# KiCad board RUSP_Mainboard.kicad_pcb (continued)
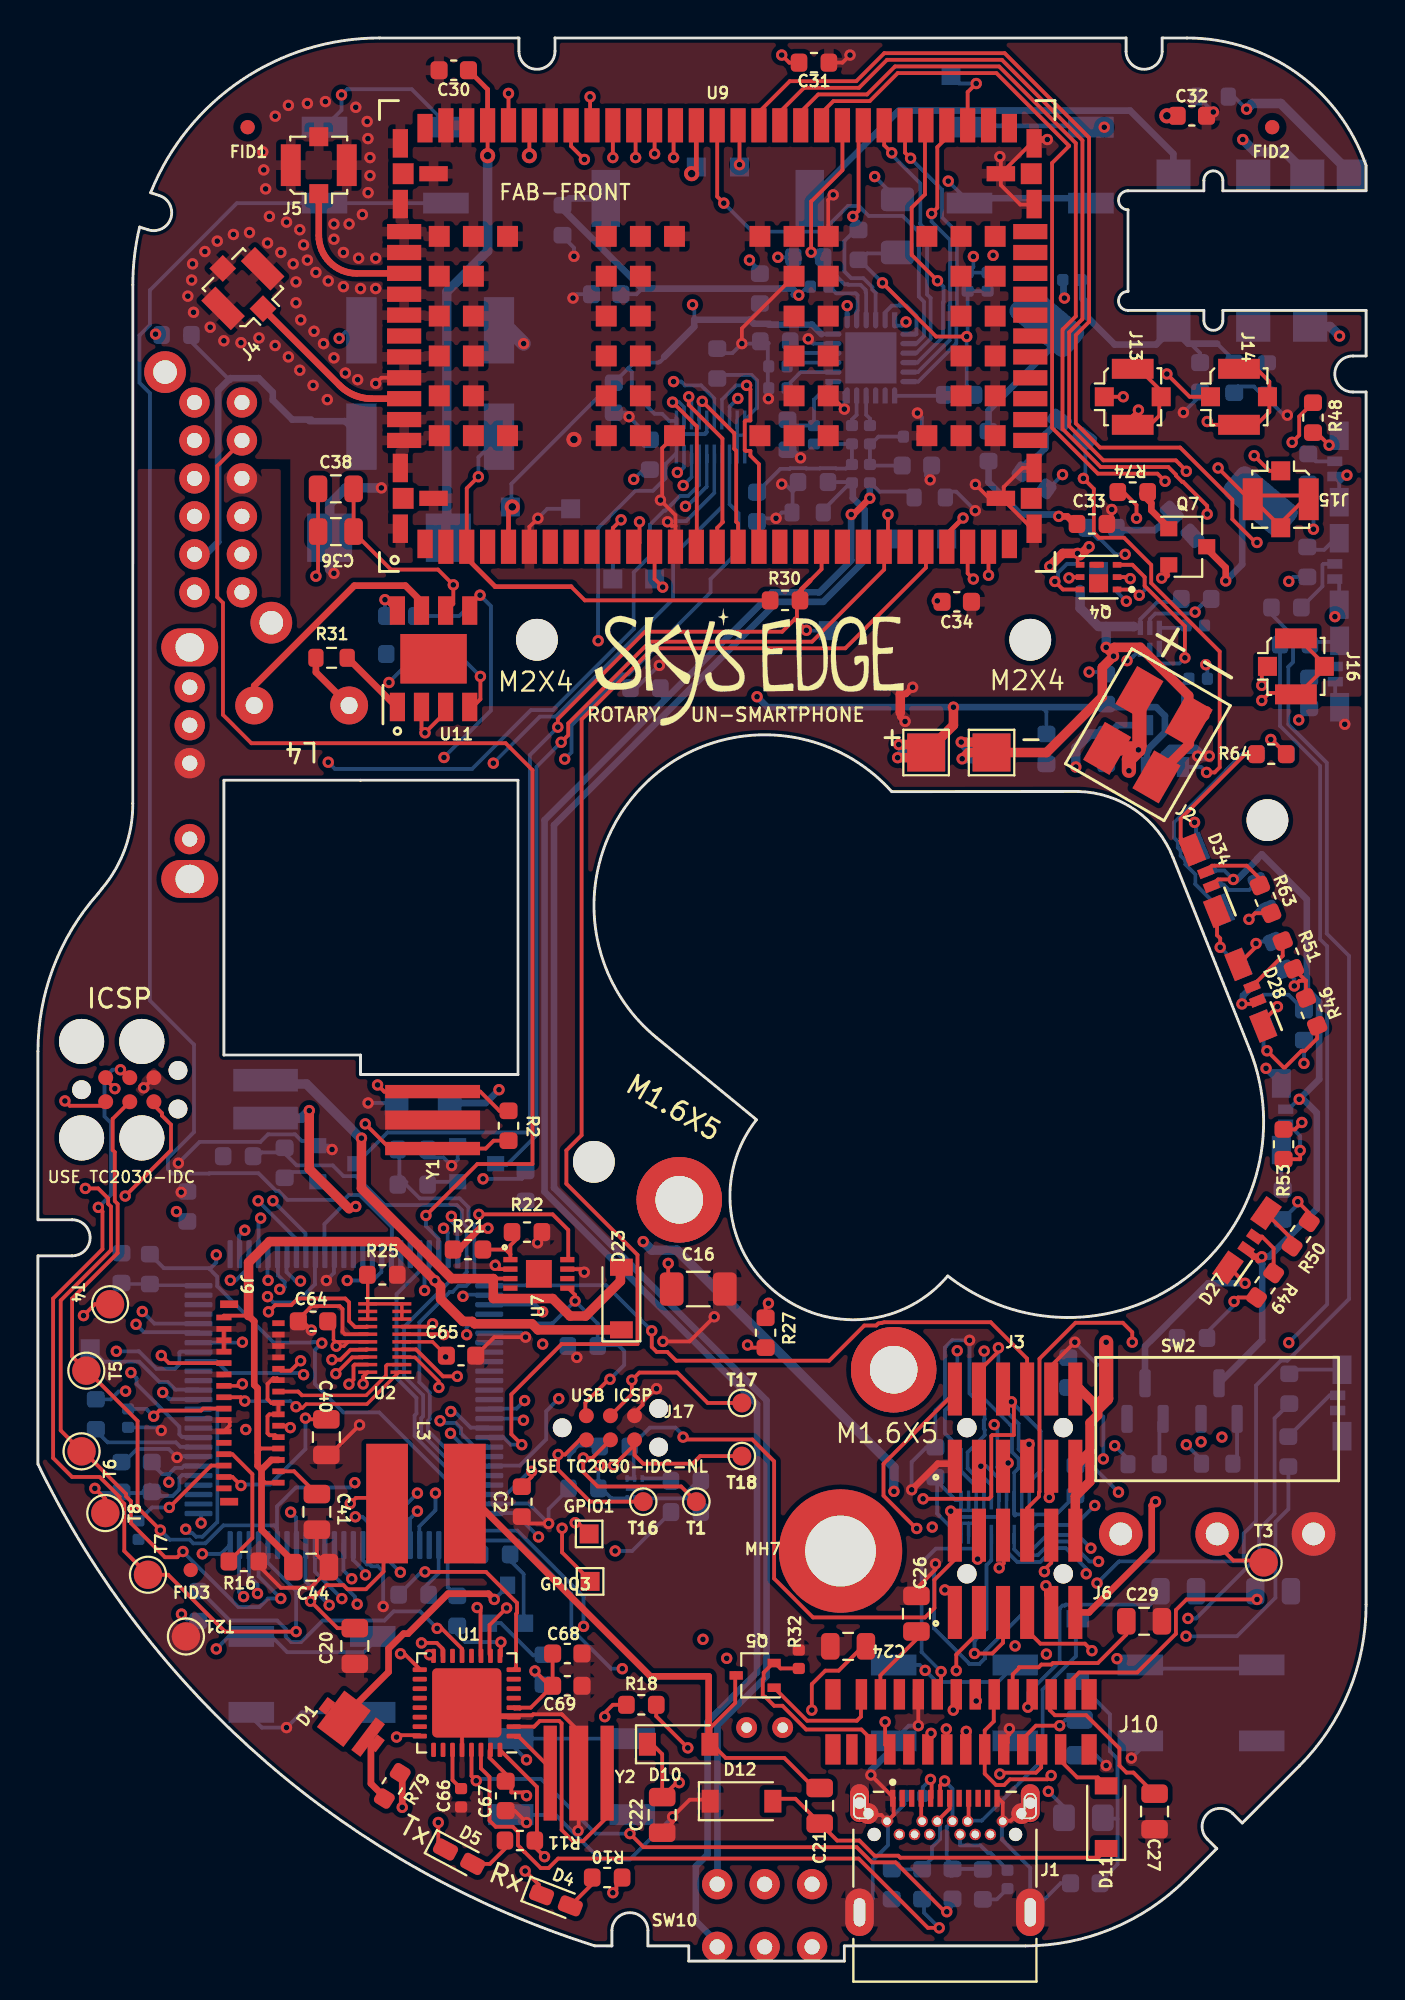
[diagram p0: board, top side]
## Routing (per net, layer and track width the routed paths; a pad name or vN(x,y) marks a point on that pad's centre or on a via; arc(x,y) is an arc through that point) (continued)
Net-(C47-Pad1): length 91.2
  L6_GND.Cu w0.2: 41.52,76.47 41.52,76.57 42.72,77.77 ; 42.92,77.88 42.89,77.91 41.33,77.91
  L6_GND.Cu w0.35: 35.81,4.26 35.81,12.41 38.4,15 38.4,29.53 27.2,40.73 27.2,59.84 38.96,71.6 41.39,71.6 43.57,73.78 43.57,76.45 42.95,77.07 42.95,77.9
Net-(C48-Pad1): length 5
  L6_GND.Cu w0.2: L5.1 43.85,79.9 ; 43.85,78.85 43.92,78.77 45.84,78.77 ; R35.1 44.3,80.3 43.9,79.9
Net-(C49-Pad1): length 8.6
  L6_GND.Cu w0.2: L6.1 42.9,79.9 ; R38.1 42.83,79.91 ; C49.1 39.12,78.6 39.62,78.6 39.65,78.64 40.48,78.64 40.49,78.62 41.21,78.62 41.22,78.64 42.05,78.64 42.07,78.62 42.59,78.62 42.87,78.9
Net-(C50-Pad1): length 4
  L6_GND.Cu w0.2: 39.56,80.88 R38.2 40.9,82.25 41.85,83.2
Net-(C51-Pad1): length 1.6
  L6_GND.Cu w0.2: 43.65,82.45 43.65,81.45 43.85,81.25 C51.1
Net-(C52-Pad1): length 1.8
  L6_GND.Cu w0.2: C52.1 42.9,81.2 43.15,81.45 43.15,82.55
Net-(C53-Pad1): length 2.7
  L6_GND.Cu w0.2: U12.3 39.5,84.2
Net-(C54-Pad1): length 2.7
  L6_GND.Cu w0.2: 39.48,85.2 39.98,84.71 42.01,84.71
Net-(C55-Pad1): length 3
  L6_GND.Cu w0.2: 39.5,83 40.2,83.7 U12.2
Net-(C60-Pad1): length 16.2
  L6_GND.Cu w0.2: 63,84.05 63.2,84.25 64.6,84.25 ; 62.98,83.91 63.11,83.91 63.17,83.97 63.17,84.17 62.15,85.2 ; J8.2 61.25,84.7 C60.1
  L6_GND.Cu w0.35: 62.15,85.2 60.62,85.2 59.9,85.92 ; 59.79,86.01 58.93,85.15 56.75,85.15 55.17,86.72 55.17,87.45 55.05,87.57 55.05,88.65
Net-(C61-Pad1): length 159.3
  L2_3v3+GNDA.Cu w0.35: v1(50.34,89.85) 48.27,87.78 44.25,87.78 44.2,87.82 40.17,87.82 v1(40.1,87.75)
  L5_3v8.Cu w0.5: v1(63.7,97.55) 61.95,95.8 56.3,95.8 50.16,89.66 50.16,84.23 46.32,80.39 46.32,76.69 43.06,73.43 40.37,73.43 40.01,73.06 40.01,72.91 27.23,60.13 27.23,44.75 25.87,43.39 25.87,39.28 27.95,37.2 27.95,36.09 28.57,35.47 29.38,35.47 30.38,34.47 30.38,33.18 32.71,30.85 32.94,30.85 36.6,27.19 36.6,18.77 37,18.37 37,12.65 MK1.1 37.35,5.2 38.35,4.2
  L6_GND.Cu w0.2: L8.1 40.55,88.2 v1(40.1,87.75) ; D18.1 63.04,98.21 v1(63.7,97.55) ; C61.1 31.55,87.8 31.84,88.1
  L6_GND.Cu w0.35: v1(40.1,87.75) 39.75,88.1 31.84,88.1 27.65,92.29 C63.1 28.01,92.85 LS1.2 30.45,93.38 ; 39.82,87.78 40.07,87.78
  L6_GND.Cu w0.5: v1(63.7,97.55) 64,97.85 65.5,97.85 J8.1
Net-(C66-Pad1): length 2.3
  L1_GND+GNDA.Cu w0.2: C66.1 21.85,9.53 21.85,11.2
Net-(D1-Pad1): length 13.4
  L1_GND+GNDA.Cu w0.2: D1.1 16.11,13.44
  L1_GND+GNDA.Cu w0.35: 16.1,12.85 18.48,15.23 18.48,16.46 19.27,17.25 19.51,17.25 21.61,19.35 23.75,19.35 v1(24.05,19.05)
  L6_GND.Cu w0.2: Q6.3 24.75,19.75 v1(24.05,19.05)
Net-(D1-Pad2): length 3.3
  L1_GND+GNDA.Cu w0.35: 18.3,8.6 17.55,9.35 17.55,11.6
Net-(D2-Pad1): length 23.3
  L1_GND+GNDA.Cu w0.2: v1(55.1,78.1) 55.65,77.55 55.65,75.25 55.92,74.97 57.24,74.97 58.67,73.54 58.67,72.59 62.28,68.98 62.28,62.88 62.02,62.61 v1(61.59,62.61)
  L6_GND.Cu w0.2: v1(55.1,78.1) 55.2,78.2 55.2,80.18 ; U5.1 61.3,62.9 v1(61.59,62.61)
Net-(D2-Pad2): length 3.7
  L6_GND.Cu w0.35: D2.2 53.1,80.43 53.1,79.7 52.35,78.95 52.16,78.95 51.65,78.45
Net-(D3-Pad2): length 20.3
  L1_GND+GNDA.Cu w0.2: 49.05,8.6 49.05,7.45 ; 46.6,7.5 46.55,7.55 46.55,8.6
  L2_3v3+GNDA.Cu w0.2: 46.6,7.4 46.6,8.2 46.9,8.5 49,8.5 49,7.38
  L6_GND.Cu w0.2: 49,7.39 49.75,7.39 52.95,10.6 52.95,14.31 54.7,16.06 54.7,18.15
Net-(D4-Pad1): length 18.6
  L1_GND+GNDA.Cu w0.2: v1(24.7,18.6) 23.8,17.7 23.8,16.15 ; v1(25.68,4.74) 26.4,4.02 26.4,3.5
  L4_GND.Cu w0.2: v1(24.7,18.6) 25.2,18.1 25.2,5.22 v1(25.68,4.74)
Net-(D4-Pad2): length 2.1
  L1_GND+GNDA.Cu w0.2: D4.2 29.5,4.35 29.5,4.4
Net-(D5-Pad1): length 16.3
  L1_GND+GNDA.Cu w0.2: 21.5,5.9 21.1,6.3 v1(21.1,7.3) ; 23.33,16.1 23.33,18.44 v1(23.15,18.62)
  L4_GND.Cu w0.2: v1(23.15,18.62) 23.15,15.97 21.1,13.92 v1(21.1,7.3)
Net-(D5-Pad2): length 2.4
  L1_GND+GNDA.Cu w0.2: D5.2 23.82,5.12 24.8,6.1 24.7,6.2
Net-(D6-Pad1): length 7.3
  L1_GND+GNDA.Cu w0.35: 61.5,74.5 62.6,73.4 v1(62.6,72.7)
  L6_GND.Cu w0.35: v1(62.6,72.7) 63.47,73.57 63.47,77.34
Net-(D6-Pad2): length 6.6
  L6_GND.Cu w0.35: 50.1,80.48 50.1,81.68 53.91,85.49
Net-(D22-Pad2): length 3.4
  L6_GND.Cu w0.35: R44.1 56.96,75.38 58.88,75.38 59,75.5 59.02,75.5 59.8,76.28
Net-(D23-Pad2): length 28
  L1_GND+GNDA.Cu w0.2: U7.3 24,35.95
  L1_GND+GNDA.Cu w0.5: v1(17.05,43.35) 17.05,40.7 21.8,35.95 24,35.95 24,34.9 27.12,34.9 28.04,33.98 28.87,33.98 30.7,35.81 30.7,36.45
  L6_GND.Cu w0.5: 12.2,46.2 14.15,46.2 17,43.35 v1(17.05,43.35)
Net-(D25-Pad1): length 2.9
  L6_GND.Cu w0.2: R45.1 65.91,50.9 64.6,50.9 D25.1
Net-(D25-Pad2): length 47.7
  L1_GND+GNDA.Cu w0.2: D28.2 64.11,50.42 v1(63.46,50.42) ; D34.2 62.2,56.97 v1(63,56.97)
  L1_GND+GNDA.Cu w0.35: D27.2 64.09,37.1 v1(64.5,37.1) 64.33,36.93
  L2_3v3+GNDA.Cu w0.2: v1(63.46,50.42) 63.63,50.42 65.37,48.67 65.37,46.5 v1(66.47,45.4)
  L6_GND.Cu w0.2: D33.2 62.52,57.45 v1(63,56.97) ; D29.2 65.91,44.88 66.43,45.4 v1(66.47,45.4)
  L6_GND.Cu w0.35: Q8.3 64.52,32.71 64.52,36.73 64.4,36.85 64.4,37.05 64.48,37.12 ; D25.2 63.51,50.85 63.51,50.62 ; v1(63,56.97) 63.2,56.97 64.25,58.02 64.25,58.05 64.5,58.3 66.87,55.92 66.87,51.18 67.52,50.53 67.52,46.45 v1(66.47,45.4) 66.69,45.4 67.4,44.68 67.4,39.62 64.88,37.1 v1(64.5,37.1)
Net-(D25-Pad3): length 5.7
  L1_GND+GNDA.Cu w0.2: R46.1 67.42,48.6 66.77,47.95 66.6,47.95 65.72,47.07 65.65,47.07 v1(64.77,47.95)
  L6_GND.Cu w0.2: v1(64.77,47.95) 64.59,48.13 D25.3
Net-(D25-Pad4): length 47.8
  L1_GND+GNDA.Cu w0.2: D28.4 64.58,49.53 v1(65.33,50.27) ; D34.4 62.14,54.04 62.31,53.87 v1(62.31,53.4) ; v1(63.62,35.7) 62.79,36.53 D27.4
  L3_3v8+GNDA.Cu w0.2: v1(60.96,59.98) 61.48,59.47 61.48,59.32 ; 62.85,53.67 62.58,53.67 v1(62.31,53.4) ; 65.87,50.65 65.5,50.27 v1(65.33,50.27)
  L3_3v8+GNDA.Cu w0.35: v1(63.62,35.7) 63.62,38.67 65.23,40.27 65.23,45.12 ; 65.23,45.12 65.23,46.52 v1(64.73,47.02) ; 65.23,45.12 65.23,46.97 65.98,47.72 65.98,50.55 62.85,53.67 62.85,54.78 62.52,55.11 62.52,55.25 61.48,56.3 61.48,59.32
  L6_GND.Cu w0.2: v1(62.31,53.4) 63.21,52.51 D25.4 ; v1(60.96,59.98) 61.07,59.88 61.08,59.88 61.04,59.84 D33.4
  L6_GND.Cu w0.35: v1(64.73,47.02) 65.52,46.22 D29.4 ; Q9.3 58.35,32.38 61.67,35.7 v1(63.62,35.7)
Net-(D26-Pad1): length 1.4
  L6_GND.Cu w0.2: 68.3,79 67.35,79 67,79.35
Net-(D26-Pad3): length 2
  L1_GND+GNDA.Cu w0.2: v1(68.05,79.85) 67.39,80.51 R48.1
  L6_GND.Cu w0.2: 68.6,80.45 68.05,79.9 v1(68.05,79.85)
Net-(D27-Pad1): length 2.5
  L1_GND+GNDA.Cu w0.2: R49.1 65.13,37.55 64.51,38.16 D27.1
Net-(D27-Pad3): length 2.3
  L1_GND+GNDA.Cu w0.2: D27.3 66.1,38.03 R50.1
Net-(D28-Pad1): length 3.1
  L1_GND+GNDA.Cu w0.2: D28.1 65.6,52.95 R51.1
Net-(D28-Pad3): length 2.4
  L1_GND+GNDA.Cu w0.2: v1(64.2,53.6) 64.2,53.43 D28.3
  L6_GND.Cu w0.2: v1(64.2,53.6) 64.31,53.71 R52.1
Net-(D29-Pad1): length 3.1
  L1_GND+GNDA.Cu w0.2: v1(66.52,42.7) 66.52,42.25 66.51,42.24 R53.1
  L6_GND.Cu w0.2: D29.1 65.91,44.07 66.52,43.46 v1(66.52,42.7)
Net-(D29-Pad3): length 2.1
  L6_GND.Cu w0.2: D29.3 65.53,40.7 R54.1
Net-(D30-Pad1): length 3.4
  L6_GND.Cu w0.2: D30.1 67.75,73.6 67.7,73.55 67.7,72.41 R55.1
Net-(D30-Pad3): length 1.8
  L6_GND.Cu w0.2: 67.04,74.34 67.79,74.34 68.55,75.1
Net-(D31-Pad1): length 1.7
  L6_GND.Cu w0.2: 68.35,68.2 67.96,68.2 67.05,67.28 67,67.28
Net-(D31-Pad3): length 1.7
  L6_GND.Cu w0.2: 67,69.48 68.43,69.48 68.6,69.65
Net-(D32-Pad1): length 3.5
  L6_GND.Cu w0.2: R59.1 68.08,29.8 D32.1
Net-(D32-Pad3): length 2.9
  L6_GND.Cu w0.2: D32.3 66.16,31.15 R60.1
Net-(D33-Pad1): length 2.5
  L6_GND.Cu w0.2: R61.1 63.85,56.43 62.77,56.43 62.49,56.71 D33.1
Net-(D33-Pad3): length 11.5
  L6_GND.Cu w0.2: R62.1 63.48,63.57 59.87,59.97 59.87,59.17 60.08,58.97 60.08,58.65 60.23,58.5 60.23,58.22 60.5,57.95 60.48,57.92 60.48,57.77 61,57.24 61,56.73 D33.3
Net-(D34-Pad1): length 3.6
  L1_GND+GNDA.Cu w0.2: D34.1 61.88,57.7 63.71,57.7 64.4,57.01 R63.1
Net-(D34-Pad3): length 7.3
  L1_GND+GNDA.Cu w0.2: D34.3 60.23,59.14 60.23,60.17 63.62,63.57 R64.1
Net-(J1-PadA5): length 2
  L1_GND+GNDA.Cu w0.2: 47.1,8.6 47.1,9.51 v1(47.04,9.57)
  L6_GND.Cu w0.2: R5.1 46.64,9.16 v1(47.04,9.57)
Net-(J1-PadB5): length 3.6
  L6_GND.Cu w0.2: 51.1,4.8 50.2,5.7 50.07,5.7 49.67,6.1 48.6,6.1 48.6,6.69
Net-(J8-Pad4): length 120.7
  L5_3v8.Cu w0.5: v1(68.6,85.6) 68.1,85.1 52.87,85.1 48.38,80.61 48.38,76.9 42.52,71.05 40.15,71.05 28.6,59.5 28.6,44.28 27.17,42.85 27.17,39.82 34.01,32.98 34.01,31.84 38.1,27.75 38.1,23.4 37.9,23.2 ; 38.3,0.8 39.5,2 39.5,10.6 40.5,11.6 40.5,12.46 38.49,14.46 38.49,18.8 37.94,19.35 37.94,23.26
  L6_GND.Cu w0.5: v1(68.6,85.6) 68.1,86.1 J8.4
Net-(J8-Pad10): length 23.5
  L6_GND.Cu w0.35: 40.5,92.6 45.38,97.48 57.56,97.48 59.84,95.2 59.84,93.99
Net-(J8-Pad12): length 113.6
  L5_3v8.Cu w0.5: MK1.2 37.84,13.71 37.84,18.45 37.25,19.04 37.25,27.46 33.21,31.5 33,31.5 31.1,33.4 31.1,34.97 26.52,39.55 26.52,43.12 27.9,44.5 27.9,59.88 39.72,71.7 42.26,71.7 47.73,77.17 47.73,80.88 51.25,84.4 51.25,89.83 56.42,95 62.55,95 v1(63.5,95.95)
  L6_GND.Cu w0.5: J8.12 65.7,95.3 64.15,95.3 v1(63.5,95.95)
Net-(L4-Pad1): length 3.3
  L1_GND+GNDA.Cu w0.35: 16.48,66.06 L4.1 14.65,67.89 R31.2
Net-(L4-Pad2): length 13
  L1_GND+GNDA.Cu w0.35: L4.2 11.4,67.17 16.67,72.45 19.37,72.45 20.3,71.52 20.3,71.05
Net-(L7-Pad2): length 13.8
  L2_3v3+GNDA.Cu w0.35: v1(42.65,87.2) 42.85,87 53.5,87 v1(54.1,87.6)
  L6_GND.Cu w0.2: U12.7 v1(42.65,87.2)
  L6_GND.Cu w0.35: v1(54.1,87.6) 54.05,87.65 54.05,88.5
Net-(L8-Pad2): length 3.3
  L6_GND.Cu w0.2: U12.8 43.15,86.89 43.2,86.94 43.2,87.75 43.1,87.85 42.08,87.85 41.75,88.17
Net-(Q1-Pad1): length 1.8
  L6_GND.Cu w0.2: Q1.1 20.35,41.05
Net-(Q1-Pad3): length 49.2
  L1_GND+GNDA.Cu w0.2: v1(44.8,76.2) 44.8,74.7 ; v1(27.57,64.2) 27.95,64.58 27.95,65.2 32.25,69.5 40.8,69.5 44.6,73.3 44.6,74.6
  L6_GND.Cu w0.2: T15.1 v1(44.8,76.2) ; v1(27.57,64.2) 26.27,62.9 26.27,43.51 24.69,41.92 24.23,41.92
Net-(Q2-Pad1): length 1.9
  L6_GND.Cu w0.2: 13,41.56 14.28,41.56 14.75,41.1
Net-(Q2-Pad3): length 54.6
  L1_GND+GNDA.Cu w0.2: v1(27.4,65) 27.4,65.42 32,70.02 39.22,70.02 39.9,70.7 ; 39.9,70.7 v1(40.5,70.1) ; 39.9,70.7 40,70.8 40,72.02 41.3,73.32 U9.20
  L1_GND+GNDA.Cu w0.25: 40.25,71.7 40.25,72.27 40.71,72.73
  L6_GND.Cu w0.2: v1(40.5,70.1) 40.52,70.07 T14.1 ; 16.73,41.95 18.42,43.65 25.92,43.65 25.92,63.52 v1(27.4,65)
Net-(Q3-Pad1): length 4.1
  L1_GND+GNDA.Cu w0.2: 56.9,72.3 56.96,72.24 57.74,72.24 v1(58.04,71.94)
  L6_GND.Cu w0.2: Q3.1 57.66,73.55 58.34,72.87 58.34,72.24 v1(58.04,71.94)
Net-(Q3-Pad2): length 1.5
  L1_GND+GNDA.Cu w0.2: v1(57.57,72.82) 57.49,72.9 Q4.2
  L6_GND.Cu w0.2: v1(57.57,72.82) 57.49,72.9 Q4.2
Net-(Q3-Pad3): length 4.9
  L2_3v3+GNDA.Cu w0.2: v1(57.36,71.63) 57.4,71.59 v1(57.4,68.5)
  L6_GND.Cu w0.2: v1(57.4,68.5) 57.5,68.5 57.71,68.71 ; 57.71,68.71 58.1,69.1 ; 57.71,68.71 57.71,68.68 ; Q3.3 56.87,72.12 v1(57.36,71.63)
Net-(Q3-Pad5): length 1.2
  L1_GND+GNDA.Cu w0.2: 54.9,72.9 54.38,72.9 v1(54.34,72.86)
  L6_GND.Cu w0.2: v1(54.34,72.86) 54.38,72.9 Q4.5
Net-(Q3-Pad6): length 3.3
  L1_GND+GNDA.Cu w0.2: Q4.6 54.02,72.25 v1(53.6,72.67)
  L6_GND.Cu w0.2: v1(53.6,72.67) 53.77,72.85 53.77,73.13 54.24,73.6 54.85,73.6
Net-(Q4-Pad3): length 9.5
  L1_GND+GNDA.Cu w0.2: v1(60.45,68.65) 60.45,70.32 58.32,72.44 58.32,72.91 57.68,73.55 Q4.3
  L6_GND.Cu w0.2: 58.6,69.2 58.6,68.65 58.9,68.35 60.15,68.35 v1(60.45,68.65)
Net-(Q6-Pad1): length 4
  L6_GND.Cu w0.2: 25.6,17.8 25.6,20.38 24.87,21.11 24.87,21.53
Net-(Q7-Pad1): length 2.4
  L1_GND+GNDA.Cu w0.35: 58.2,77.28 58.68,76.8 58.68,76.42 59.6,75.5
Net-(Q8-Pad1): length 2.5
  L6_GND.Cu w0.2: Q8.1 63.2,26.42 62.98,26.2
Net-(Q9-Pad1): length 2.5
  L6_GND.Cu w0.2: Q9.1 59.1,28.36 R43.1
Net-(R2-Pad1): length 30.9
  L1_GND+GNDA.Cu w0.2: R2.1 24.33,44.79 23.31,45.8 21.7,45.8 ; v1(17.9,46.15) 18.25,45.8 20.85,45.8
  L2_3v3+GNDA.Cu w0.2: v1(17.9,46.15) 18.2,45.85 18.2,43.72 16.68,42.2 15.7,42.2 5.45,31.95 5.45,30.77 4.7,30.02 v1(4.62,30.02)
  L6_GND.Cu w0.2: v1(4.62,30.02) 4.6,30 4.25,30 3.84,29.59 R3.1
Net-(R2-Pad2): length 33.7
  L1_GND+GNDA.Cu w0.2: R2.2 24.01,43.21 23.6,42.8 20.9,42.8 ; v1(17.25,44.1) 18.55,42.8 Y1.1
  L2_3v3+GNDA.Cu w0.2: v1(4.9,31) 4.9,32 9.55,36.65 9.63,36.65 10,37.02 10,40.06 14.04,44.1 v1(17.25,44.1)
  L6_GND.Cu w0.2: 8.45,27.6 8.17,27.6 8.16,27.61 7.59,27.61 7.45,27.75 7.45,28.15 5.2,30.4 5.2,30.7 v1(4.9,31)
Net-(R3-Pad2): length 5.3
  L6_GND.Cu w0.2: 3,28 3.67,27.33 7.26,27.33 7.5,27.09 7.93,27.09
Net-(R6-Pad1): length 30.5
  L1_GND+GNDA.Cu w0.2: v1(47.9,2.6) 47.85,2.65 47.75,2.65 45.2,5.2 43.95,5.2 43.15,6 31.91,6 v1(31.2,6.71) ; v1(23.1,9.5) 22.85,9.75 U1.29
  L6_GND.Cu w0.2: v1(23.1,9.5) 23.2,9.6 26.51,9.6 29.39,6.71 v1(31.2,6.71) ; v1(47.9,2.6) 48.1,2.8 48.1,3.58
Net-(R7-Pad1): length 32.6
  L1_GND+GNDA.Cu w0.2: v1(47.5,1.75) 46.91,1.75 43.26,5.4 27.41,5.4 26.91,4.9 26.5,4.9 25.65,5.75 25.64,5.75 25.43,5.96 25.43,5.97 25.3,6.1 25.3,6.8 25.03,7.07 24.13,7.07 23.8,7.4 23.8,9.7 23.35,10.15 U1.30
  L6_GND.Cu w0.2: 46.7,3.25 46.7,2.55 v1(47.5,1.75)
Net-(R13-Pad2): length 1.4
  L6_GND.Cu w0.2: 60.45,70.3 60.37,70.22 U3.6
Net-(R14-Pad2): length 2.6
  L6_GND.Cu w0.2: U5.5 60.35,67.25 60.7,67.6
Net-(R19-Pad1): length 4.5
  L6_GND.Cu w0.2: 31.89,24.38 31.89,24.38 34.23,24.38 ; 34.23,24.38 34.23,24.72 34.8,25.3 ; 34.23,24.38 34.9,23.7
Net-(R20-Pad1): length 10.1
  L2_3v3+GNDA.Cu w0.2: 8.35,78.1 5.6,80.85 5.6,82.8 5.35,83.05 5.35,84.35 5.38,84.37 5.38,84.88 v1(6.2,85.7)
  L6_GND.Cu w0.2: 6.81,85.66 6.24,85.66 v1(6.2,85.7) ; 6.6,85.46 6.8,85.66
Net-(R21-Pad2): length 3.2
  L1_GND+GNDA.Cu w0.2: U7.1 24.9,37.23 ; 24.9,37.23 24.65,37.48 23.15,37.48 ; 24.9,37.23 24.9,37.7 25.3,38.1
Net-(R25-Pad1): length 4.9
  L1_GND+GNDA.Cu w0.18: U2.11 U2.10 U2.9 U2.8 ; U2.11 U2.12 U2.13 ; U2.11 17.38,36.13 R25.1
Net-(R28-Pad1): length 4.1
  L6_GND.Cu w0.18: 8.44,35.6 5.96,35.6 R29.1 4.45,35.66 R28.1
Net-(R31-Pad1): length 3.7
  L1_GND+GNDA.Cu w0.35: R31.1 16.32,68.65 18.91,66.06 U11.1
Net-(R33-Pad1): length 8.6
  L6_GND.Cu w0.18: U10.12 36.85,80.38 ; 36.85,80.38 37.22,80.38 ; 36.85,80.38 U10.9 ; U10.11 U10.10 37.87,81.8 37.9,81.8
  L6_GND.Cu w0.2: R33.1 35.99,83.55 37.61,83.55 37.9,83.26 37.9,81.8
Net-(R39-Pad2): length 2.5
  L6_GND.Cu w0.2: 45.2,82.5 45.25,82.45 47.7,82.45
Net-(R75-Pad1): length 10.1
  L6_GND.Cu w0.18: 49.05,23.06 48.65,23.06 U8.10 ; 49.05,23.06 49.05,22.43 ; 49.05,23.06 49.38,23.06 49.39,23.05 49.45,23.05 U8.8 ; 49.05,23.74 48.69,23.74 48.69,23.74 48.65,23.74 48.65,23.86 48.65,23.86 U8.11 ; 49.05,23.74 49.44,23.74 49.45,23.75 U8.13 ; 49.05,23.74 U8.12
  L6_GND.Cu w0.2: 47.37,25.19 47.39,25.17 47.39,23.57 48.48,22.48 U8.10 ; U8.11 48.37,24.28 47.3,25.35
Net-(RSVD1-Pad1): length 3.8
  L1_GND+GNDA.Cu w0.2: v1(49.45,98.9) 49,98.45 U9.49
  L6_GND.Cu w0.2: 48.2,99.25 48.55,98.9 v1(49.45,98.9)
Net-(T13-Pad1): length 2.4
  L1_GND+GNDA.Cu w0.2: v1(36.98,94.62) 36.98,96.85
  L6_GND.Cu w0.2: T13.1 v1(36.98,94.62)
Net-(U1-Pad1): length 2.8
  L1_GND+GNDA.Cu w0.2: 25.15,11.8 25.36,11.8 27,10.16 Y2.1
Net-(U1-Pad2): length 15
  L1_GND+GNDA.Cu w0.2: U1.2 26.15,12.35 26.45,12.65 27.47,12.65 27.6,12.52 27.6,6.91 28.2,6.31 28.73,6.31 30.05,7.64 30.05,11.1
unconnected-(J8-Pad11): length 0.1
  L6_GND.Cu w0.35: 63.9,94.35 63.95,94.3
unconnected-(U4-Pad69): length 1
  L6_GND.Cu w0.2: 19.1,36.2 19.1,37.21

## Copper pours and planes (outline as drawn; the poured copper is in the pictures)
+3V3 on L2_3v3+GNDA.Cu: 12.8,66.1 71.7,66.1 71.8,-3.59 -0.2,-3.53 -0.15,78.6 12.8,78.6
+3V8 on L3_3v8+GNDA.Cu: 12.8,66.07 75.16,66.1 75.14,-5.36 -3.08,-5.18 -2.95,78.6 12.77,78.57
+3V8 on L5_3v8.Cu: 77.65,-6.72 -3.15,-6.28 -2.65,106.6 77.77,106.7
GND on L1_GND+GNDA.Cu: 12.8,66.1 72.8,66.1 72.8,-2.9 -1.2,-2.9 -1.2,78.6 12.8,78.6
GND on L6_GND.Cu: 74.3,-4.4 -1.7,-4.4 -1.7,-3.9 -2.2,-3.9 -2.2,78.6 -1.7,78.6 -1.7,105.6 74.3,105.6
GND on L4_GND.Cu: 76.87,-6.12 -3.92,-5.68 -3.42,107.2 77,107.3
GNDA on L1_GND+GNDA.Cu: 74.8,66.6 13.3,66.6 13.3,79.1 2.8,79.22 2.8,104.6 74.8,104.54
GNDA on L2_3v3+GNDA.Cu: 73.8,66.6 13.3,66.6 13.3,79.1 0.8,79.1 0.8,103.85 73.8,103.97
GNDA on L3_3v8+GNDA.Cu: 75.75,66.63 13.3,66.6 13.3,79.1 -0.35,79.09 -0.4,105.01 75.7,105.17

## Text on the board
B.Silkscreen: J. HAUPT - Rev1.1q | FAB-BACK | LIVE FREE AND DIAL
User.Eco1: FAB NOTES: / -Board thickness: 1.6mm / -Solder mask: black / -Silk: white
F.Silkscreen: ROTARY   UN-SMARTPHONE | FAB-FRONT | M2X4 | M1.6X5
